# Allegro board A733_PRO3_AXP318_LPDDR5_FBGA315BALL_32X1_V2_0.brd (continued)
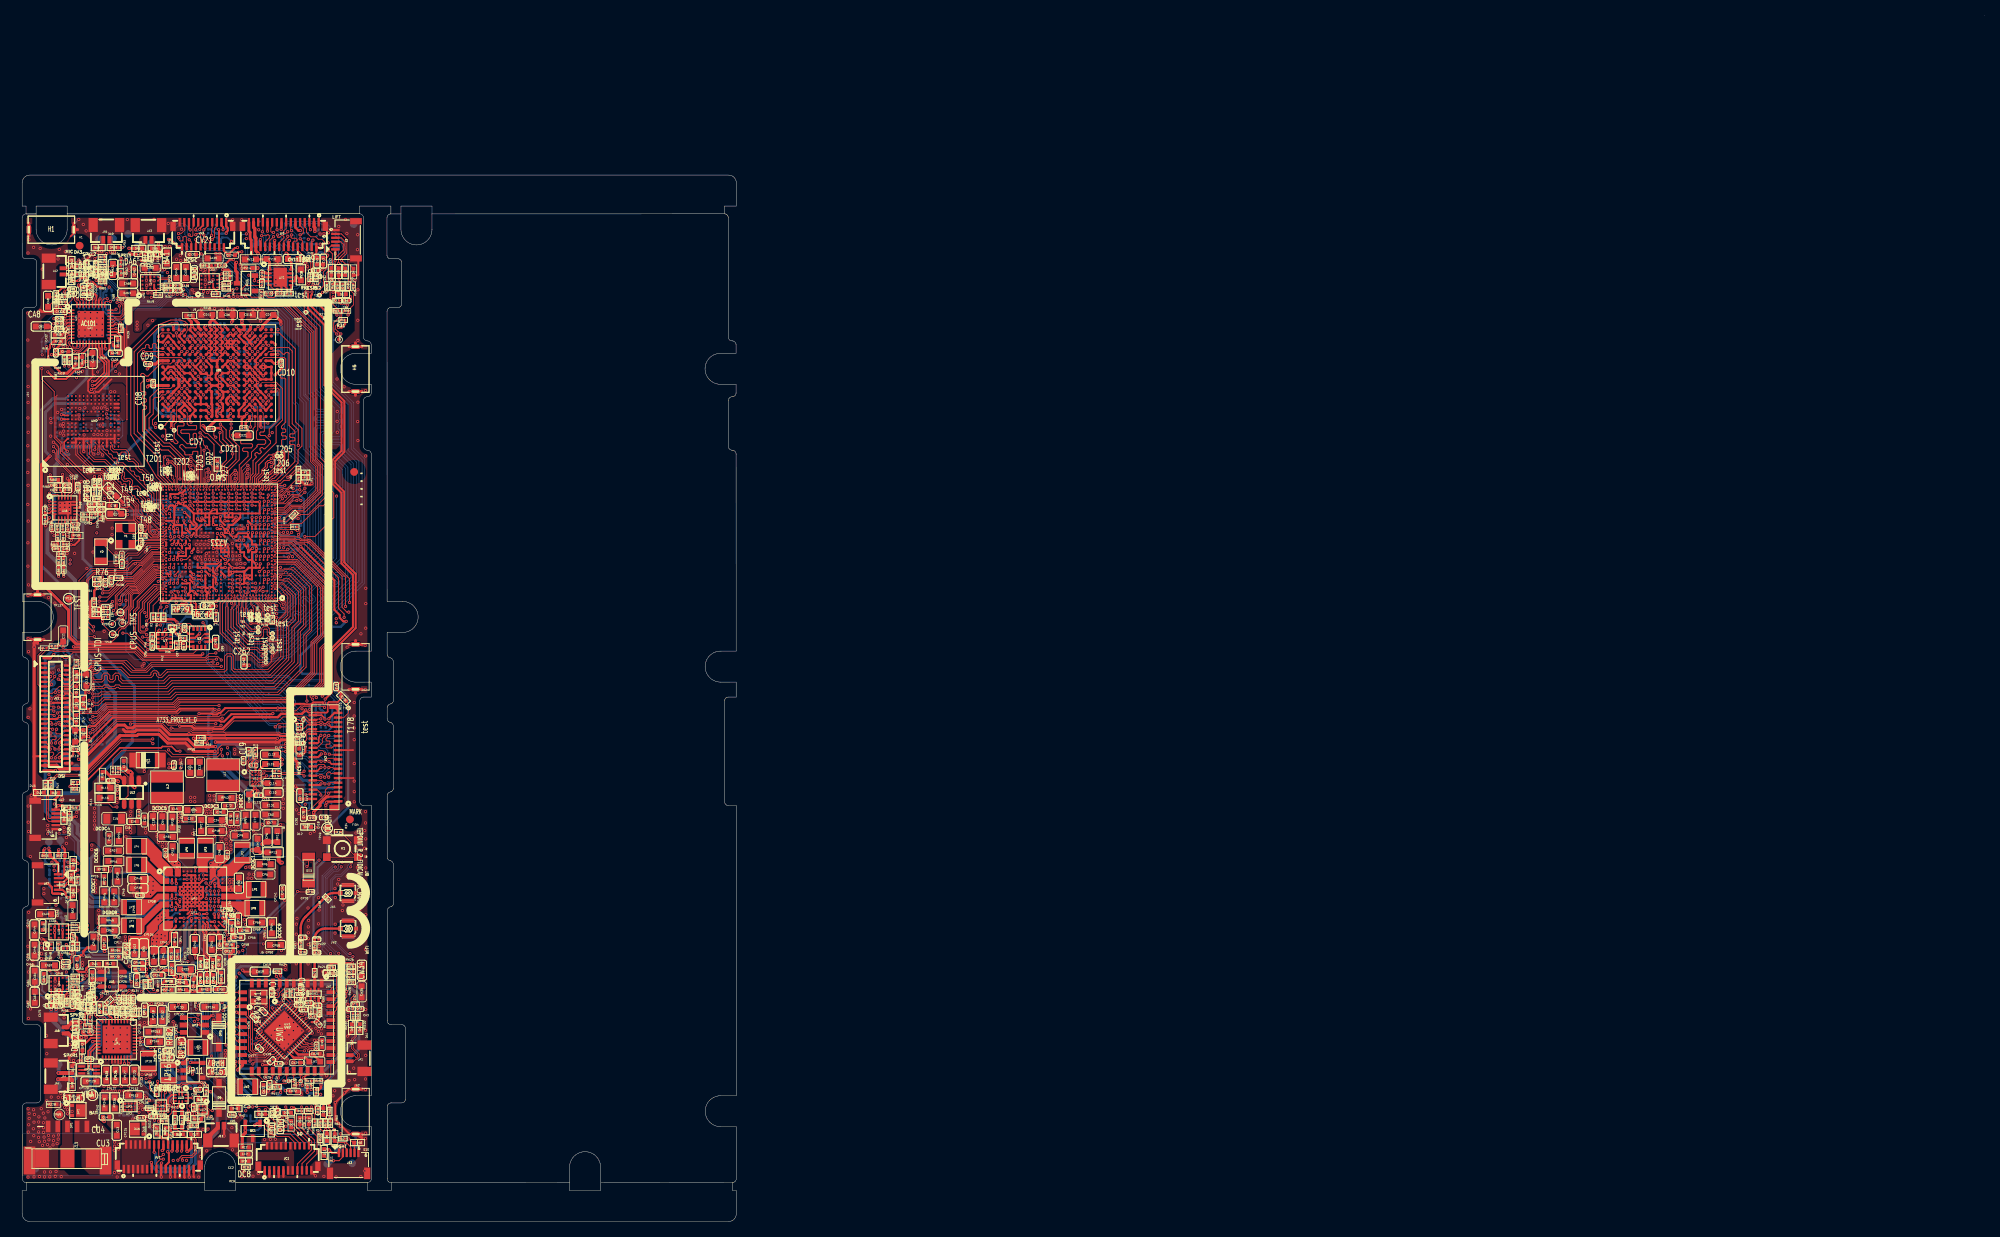
[diagram p0: board, top side]
## Nets (continued)
GND: C5.2 C6.2 C7.2 C8.2 C9.2 C10.2 C11.2 C12.2 C13.2 C14.2 C15.2 C16.2 C17.2 C18.2 C19.2 C20.2 C21.2 C22.2 C23.2 C24.2 C25.2 C26.2 C27.2 C28.2 C29.2 C30.2 C31.2 C32.2 C33.2 C34.2 C35.2 C36.2 C37.2 C38.2 C39.2 C40.2 C41.2 C42.2 C43.2 C44.2 C45.2 C46.2 C47.1 C48.2 C49.2 C50.2 C51.2 C52.2 C53.2 C54.2 C55.2 C56.2 C57.2 C58.2 C59.2 C60.2 C61.2 C62.2 C63.2 C64.2 C65.2 C66.2 C67.2 C68.2 C69.2 C70.2 C71.2 C72.2 C73.2 C74.2 C75.2 C76.2 C77.2 C78.2 C79.2 C80.2 C81.2 C82.2 C83.2 C84.2 C85.2 C86.2 C87.2 C88.2 C89.2 C92.2 C93.2 C95.1 C96.2 C97.2 C108.2 C109.2 C110.2 C111.2 C116.2 C125.2 C128.2 C129.2 C130.2 C131.2 C132.2 C133.2 C134.2 C135.2 C257.2 C258.2 C259.1 C260.2 C261.2 C262.2 CA1.1 CA2.2 CA3.1 CA4.1 CA5.1 CA10.2 CA11.2 CA12.2 CA13.2 CA14.2 CA15.1 CA16.1 CA17.2 CA18.1 CA23.2 CA24.2 CA25.2 CA27.2 CA33.2 CA34.2 CA35.2 CA36.2 CA37.2 CA39.1 CA40.2 CA41.2 CA42.2 CA44.2 CA45.1 CA46.1 CA53.2 CA54.2 CA55.2 CA56.2 CA57.2 CA58.2 CA59.2 CA60.2 CA61.2 CA63.2 CA64.2 CA65.2 CA67.1 CA68.1 CA75.2 CA76.2 CA77.2 CA78.2 CA79.2 CA80.2 CA81.2 CA82.2 CA83.1 CA89.2 CA90.2 CA91.2 CA92.2 CA93.1 CA99.2 CA100.2 CA101.2 CA102.2 CC2.2 CD1.2 CD2.2 CD3.2 CD4.2 CD5.2 CD6.2 CD7.2 CD8.2 CD9.2 CD10.2 CD11.2 CD12.2 CD13.2 CD14.2 CD15.2 CD16.2 CD17.2 CD18.2 CD19.2 CD20.2 CD21.2 CD22.2 CD23.2 CD24.2 CD25.2 CD26.2 CD27.2 CD32.2 CD33.2 CD34.2 CD35.2 CD36.2 CD37.2 CD38.2 CD39.2 CD40.2 CD41.2 CD42.2 CD43.2 CD44.2 CD45.2 CD46.2 CD47.2 CD48.2 CD49.2 CD50.2 CD51.2 CD52.2 CD53.2 CD54.2 CD55.2 CD56.2 CD57.2 CD58.2 CD59.2 CD60.2 CD61.2 CD62.2 CD63.2 CD64.2 CD65.2 CD66.2 CD67.2 CD68.2 CD69.2 CL1.1 CL3.1 CL4.1 CL5.1 CL6.1 CL7.1 CL9.1 CL10.1 CL11.1 CL12.1 CL13.1 CL14.2 CL16.2 CL17.2 CL18.1 CL19.2 CL20.1 CM1.2 CM2.2 CM3.2 CM4.2 CM24.2 CM25.2 CM26.2 CM27.2 CM28.2 CM29.2 CM30.2 CM31.2 CM32.2 CM33.2 CM34.2 CM35.2 CM37.2 CM39.2 CM54.2 CM55.2 CM56.2 CM57.2 CM58.2 CM59.2 CM60.2 CM61.2 CP1.1 CP2.1 CP3.2 CP4.1 CP5.1 CP6.1 CP7.1 CP8.2 CP9.1 CP10.1 CP11.1 CP12.1 CP13.1 CP15.2 CP17.1 CP18.1 CP20.1 CP21.1 CP22.1 CP23.2 CP24.1 CP25.1 CP27.1 CP28.1 CP29.1 CP30.2 CP31.1 CP32.1 CP33.1 CP34.1 CP35.1 CP37.1 CP38.2 CP39.1 CP40.1 CP41.1 CP43.2 CP44.1 CP46.1 CP47.1 CP48.1 CP49.2 CP50.1 CP51.1 CP52.1 CP55.1 CP56.2 CP58.1 CP59.1 CP103.1 CP112.2 CP115.2 CP116.1 CP117.1 CP118.1 CP119.2 CP120.1 CP122.2 CP123.1 CP124.1 CP126.1 CP127.1 CP129.1 CP132.1 CP133.1 CP134.1 CP135.1 CP136.2 CP137.1 CP138.1 CP139.1 CP140.1 CP141.1 CP142.2 CP143.2 CP144.1 CP150.1 CP151.2 CP153.2 CP154.2 CU1.1 CU2.1 CU3.2 CU4.2 CU5.1 CU6.1 CV1.2 CV2.2 CV3.2 CV4.2 CV5.2 CV6.2 CV7.2 CV8.1 CV9.1 CV10.2 CV11.2 CV13.2 CV14.2 CV15.2 CV16.2 CV17.2 CV18.2 CV19.2 CV20.2 CV21.2 CV22.2 CV23.2 CV24.2 CV25.2 CV26.2 CW1.2 CW2.2 CW5.1 CW6.1 CW7.2 CW8.2 CW9.2 CW10.2 CW11.1 CW12.2 CW13.1 CW15.1 CW16.1 CW17.1 CW19.2 CW20.1 CW21.1 CW22.1 CW23.1 CW24.2 CW25.2 CW26.2 CW27.1 CW28.1 CW29.2 CW30.1 CW31.1 CW33.1 CW34.2 CW35.2 D1.1(ANODE) D2.1(ANODE) D3.1(ANODE) D4.1(ANODE) D5.1(ANODE) D6.1 D7.1(ANODE) D8.1(ANODE) D9.1(ANODE) D10.1(ANODE) D11.1(ANODE) D12.1(ANODE) DA1.1(ANODE) DA2.1(ANODE) DA3.1(ANODE) DA4.1(ANODE) DA5.1(ANODE) DA6.1(ANODE) DA7.1(ANODE) DA8.1(ANODE) DA9.1(ANODE) DA10.1(ANODE) DA11.1(ANODE) DA12.1(ANODE) DA13.1(ANODE) DA14.1(ANODE) DA15.1(ANODE) DA16.1(ANODE) DA17.1(ANODE) DA18.1(ANODE) DC1.1(ANODE) DC2.1(ANODE) DC3.1(ANODE) DC4.1(ANODE) DC5.1(ANODE) DC6.1(ANODE) DC7.1(ANODE) DC8.1(ANODE) DL2.1(ANODE) DL3.1(ANODE) DL4.1(ANODE) DL5.1(ANODE) DL6.1(ANODE) DL7.1(ANODE) DL8.1(ANODE) DL9.1(ANODE) DP1.1 DP1.2 DU1.1(ANODE) DU2.1(ANODE) DU3.1(ANODE) DU4.1(ANODE) DU6.1 DU6.2 DU7.1(ANODE) DU8.1(ANODE) DU9.1(ANODE) DU10.1(ANODE) DU11.1(ANODE) DU12.1(ANODE) H1.1 H1.2 H2.1 H2.2 H3.1 H3.2 H4.1 H4.2 H5.1 H5.2 J1.1 J1.6 J1.7 J1.8 J2.1 J2.6 J2.7 J2.8 J3.1 J3.2 J3.3 J3.4 J3.5 J4.1 J4.2 J4.3 J4.4 J4.5 J5.1 J5.2 J5.3 J5.4 J5.5 J6.1 J6.2 J6.3 J6.4 J6.5 J7.1 J7.2 J7.3 J7.4 J7.5 J8.1 J8.2 J8.3 J8.4 J8.5 J9.1 J9.2 J9.3 J9.4 J9.5 J10.1 J10.2 J10.3 J10.4 J10.5 J11.2 J11.4 J12.1 J12.6 J12.7 J12.8 J13.1 J13.2 J13.3 J13.4 J13.5 J14.1 J14.2 J14.3 J14.4 J14.5 JA1.3 JA1.4 JA2.3 JA2.4 JA3.3 JA3.4 JA4.3 JA4.4 JA5.3 JA5.4 JA6.3 JA6.4 JA7.6 JA7.7 JA7.8 JC1.1(GND) JC1.2 JC1.3 JC1.4 JC1.5 JC1.6 JC1.7 JC1.8 JC1.9 JC1.10(GND1) JC1.21(GND2) JC1.22 JC1.23 JL1.7(GND0) JL1.16(GND1) JL1.24(GND2) JL1.25(GND3) JL1.28(GND4) JL1.31(GND5) JL1.34(GND6) JL1.37(GND7) JL1.40(GND8) JL1.41(GND9) JL1.46 JL1.47 JP1.4 JP1.5 JP1.6 JP2.3(GND) JU1.17 JU1.18 JU1.21 JU1.22 JU1.23 JU1.24 JU1.25 JU1.26 JU1.27 JU1.28 JU1.29 JU1.30 JU1.31 JU1.32 JU1.33 JV1.11(DGND) JV1.14(DGND1) JV1.17(DGND2) JV1.20(DGND3) JV1.23(DGND4) JV1.26(DGND5) JV1.32 JV1.33 JV2.8(DGND0) JV2.11(DGND1) JV2.14(DGND2) JV2.17(DGND3) JV2.20(DGND4) JV2.23(DGND5) JV2.26(DGND6) JV2.33(DGND7) JV2.38(DGND8) JV2.39(DGND9) JV2.40 JV2.41 JV3.11(DGND) JV3.14(DGND1) JV3.17(DGND2) JV3.20(DGND3) JV3.21(NC1) JV3.22 JV3.23 JW1.2(G1) JW1.3(G2) JW1.4(G3) JW1.5(G4) JW2.2(G1) JW2.3(G2) JW2.4(G3) JW2.5(G4) K1.3 K1.4 LW3.2 LW4.2 QV1.2(SOURCE) R4.1 R6.1 R7.2 R9.2 R10.2 R11.2 R13.1 R14.1 R17.1 R22.1 R24.2 R36.1 R37.2 R43.1 R46.2 R48.1 R66.1 R67.1 R68.1 RA6.1 RA8.2 RA13.2 RA25.2 RA26.2 RA33.2 RA34.1 RA35.1 RA36.2 RA39.1 RA40.1 RA49.1 RA61.2 RA65.1 RA66.2 RA69.1 RA89.1 RC8.2 RC9.2 RD2.2 RL5.2 RL7.2 RL11.2 RL13.1 RL16.2 RL18.2 RL22.2 RL23.2 RL38.1 RL42.2 RL47.1 RM3.1 RM41.1 RP57.2 RP225.1 RP228.1 RP247.2 RP248.2 RP250.2 RP254.2 RP256.2 RP257.2 RP299.1 RP300.1 RU6.2 RU7.2 RU8.2 RV17.1 RV18.1 RV19.1 RV20.1 RV21.2 RW4.1 RW17.1 RW31.1 RW32.1 RW33.2 RW38.1 T24.1(TP) T53.1(TP) T54.1(TP) T63.1(TP) T119.1(TP) T121.1(TP) T150.1(TP) T160.1(TP) T179.1(TP) T183.1(TP) T186.1(TP) T189.1(TP) T199.1(TP) TP29.1(TP) TP41.1(TP) TP42.1(TP) TP53.1(TP) TP58.1(TP) U1.1A5(GND42) U1.1A17(GND43) U1.1A21(GND44) U1.1AA3(GND135) U1.1AA4(GND136) U1.1AA5(GND137) U1.1AA6(GND138) U1.1AA8(GND139) U1.1AA10(GND140) U1.1AA12(GND141) U1.1AA14(GND142) U1.1AA16(GND143) U1.1AA17(GND144) U1.1AA18(GND145) U1.1AA20(GND146) U1.1AB14(GND147) U1.1AB18(GND148) U1.1AB25(GND149) U1.1AC3(GND150) U1.1AC22(GND151) U1.1AD4(GND152) U1.1AD6(GND153) U1.1AD8(GND154) U1.1AD10(GND155) U1.1AD12(GND156) U1.1AD14(GND157) U1.1AD16(GND158) U1.1AD18(GND159) U1.1AD20(GND160) U1.1AD22(GND161) U1.1AD24(GND162) U1.1AF24(GND163) U1.1AF26(GND164) U1.1B3(GND45) U1.1B15(GND46) U1.1B17(GND47) U1.1B19(GND48) U1.1B21(GND49) U1.1C7(GND50) U1.1C9(GND51) U1.1C15(GND52) U1.1C17(GND53) U1.1C21(GND54) U1.1C23(GND55) U1.1D5(GND56) U1.1D7(GND57) U1.1D15(GND58) U1.1D17(GND59) U1.1E5(GND60) U1.1E7(GND61) U1.1E11(GND62) U1.1E17(GND63) U1.1E21(GND64) U1.1F7(GND65) U1.1F9(GND66) U1.1F11(GND67) U1.1F26(GND68) U1.1G3(GND69) U1.1G4(GND70) U1.1G5(GND71) U1.1G11(GND72) U1.1G17(GND73) U1.1G19(GND74) U1.1H14(GND75) U1.1H17(GND76) U1.1H19(GND77) U1.1J5(GND78) U1.1J6(GND79) U1.1J13(GND80) U1.1K12(GND81) U1.1K22(GND82) U1.1K23(GND83) U1.1K24(GND84) U1.1L4(GND85) U1.1L5(GND86) U1.1L7(GND87) U1.1L8(GND88) U1.1L11(GND89) U1.1L12(GND90) U1.1L13(GND91) U1.1M11(GND92) U1.1M13(GND93) U1.1M14(GND94) U1.1M21(GND95) U1.1M22(GND96) U1.1N4(GND97) U1.1N5(GND98) U1.1N8(GND99) U1.1N9(GND100) U1.1N12(GND101) U1.1N14(GND102) U1.1N15(GND103) U1.1P14(GND104) U1.1P15(GND105) U1.1P24(GND106) U1.1R2(GND107) U1.1R6(GND108) U1.1R7(GND109) U1.1R9(GND110) U1.1R14(GND111) U1.1T12(GND112) U1.1T22(GND113) U1.1T23(GND114) U1.1T25(GND115) U1.1U4(GND116) U1.1U12(GND117) U1.1U21(GND118) U1.1V10(GND119) U1.1V11(GND120) U1.1V16(GND121) U1.1V21(GND122) U1.1V23(GND123) U1.1V24(GND124) U1.1V25(GND125) U1.1W9(GND126) U1.1W16(GND127) U1.1W20(GND128) U1.1Y8(GND129) U1.1Y10(GND130) U1.1Y11(GND131) U1.1Y12(GND132) U1.1Y16(GND133) U1.1Y17(GND134) U1.1Y25(UFS-REFM) U1.A1(GND0) U1.A7(GND1) U1.A19(GND2) U1.A28(GND3) U1.A31(GND4) U1.A33(COMB1-REF-CLKN) U1.A34(COMB1-REF-CLKP) U1.A37(GND5) U1.AA37(GND17) U1.AB36(GND18) U1.AC2(GND19) U1.AC36(GND20) U1.AF36(GND21) U1.AG1(GND22) U1.AJ36(GND23) U1.AK37(GND24) U1.AL37(GND25) U1.AN2(GND26) U1.AT5(GND27) U1.AT8(GND28) U1.AT12(GND29) U1.AT13(GND30) U1.AT17(GND31) U1.AT24(GND32) U1.AT26(GND33) U1.AT30(GND34) U1.AU1(GND35) U1.AU10(GND36) U1.AU15(GND37) U1.AU19(GND38) U1.AU22(GND39) U1.AU34(GND40) U1.AU37(GND41) U1.B15(GND6) U1.B23(GND7) U1.B26(GND8) U1.B28(COMB0-REF-CLKP) U1.B29(COMB0-REF-CLKN) U1.B33(GND9) U1.H2(GND10) U1.J36(GND11) U1.L2(GND12) U1.T36(GND13) U1.U2(GND14) U1.V36(GND15) U1.W36(GND16) U2.6(GND) U5.A1(VSS) U7.4(NC) U7.8(GNDIO) U7.9(GND) UA1.41(GND) UA2.B1(PGND) UA2.B4(CGND) UA3.B1(PGND) UA3.B4(CGND) UA4.B1(PGND) UA4.B4(CGND) UA5.B1(PGND) UA5.B4(CGND) UA6.9(AGND) UA6.14(DEV_ID0) UA6.15(DEV_ID1) UA6.21(GND) UD1.A5(VSS_0) UD1.A11(VSS_1) UD1.AA5(VSS_100) UD1.AA11(VSS_101) UD1.B4(VSS_2) UD1.B8(VSS_3) UD1.B12(VSS_4) UD1.C5(VSS_5) UD1.C8(VSS_6) UD1.C11(VSS_7) UD1.D2(VSS_8) UD1.D6(VSS_9) UD1.D7(VSS_10) UD1.D9(VSS_11) UD1.D10(VSS_12) UD1.D14(VSS_13) UD1.E1(VSS_14) UD1.E3(VSS_15) UD1.E8(VSS_16) UD1.E13(VSS_17) UD1.E15(VSS_18) UD1.F2(VSS_19) UD1.F8(VSS_20) UD1.F14(VSS_21) UD1.G3(VSS_22) UD1.G5(VSS_23) UD1.G7(VSS_24) UD1.G9(VSS_25) UD1.G11(VSS_26) UD1.G13(VSS_27) UD1.H3(VSS_28) UD1.H4(VSS_29) UD1.H6(VSS_30) UD1.H8(VSS_31) UD1.H10(VSS_32) UD1.H12(VSS_33) UD1.J1(VSS_34) UD1.J3(VSS_35) UD1.J7(VSS_36) UD1.J8(VSS_37) UD1.J10(VSS_38) UD1.J12(VSS_39) UD1.J13(VSS_40) UD1.J15(VSS_41) UD1.K7(VSS_42) UD1.K8(VSS_43) UD1.K9(VSS_44) UD1.L1(VSS_45) UD1.L2(VSS_46) UD1.L3(VSS_47) UD1.L4(VSS_48) UD1.L5(VSS_49) UD1.L11(VSS_50) UD1.L12(VSS_51) UD1.L13(VSS_52) UD1.L14(VSS_53) UD1.L15(VSS_54) UD1.M7(VSS_55) UD1.M8(VSS_56) UD1.M9(VSS_57) UD1.N1(VSS_58) UD1.N3(VSS_59) UD1.N4(VSS_60) UD1.N6(VSS_61) UD1.N8(VSS_62) UD1.N9(VSS_63) UD1.N10(VSS_64) UD1.N12(VSS_65) UD1.N13(VSS_66) UD1.N15(VSS_67) UD1.P4(VSS_68) UD1.P6(VSS_69) UD1.P8(VSS_70) UD1.P10(VSS_71) UD1.P12(VSS_72) UD1.P13(VSS_73) UD1.R3(VSS_74) UD1.R5(VSS_75) UD1.R7(VSS_76) UD1.R9(VSS_77) UD1.R11(VSS_78) UD1.R13(VSS_79) UD1.T2(VSS_80) UD1.T8(VSS_81) UD1.T14(VSS_82) UD1.U1(VSS_83) UD1.U3(VSS_84) UD1.U8(VSS_85) UD1.U13(VSS_86) UD1.U15(VSS_87) UD1.V2(VSS_88) UD1.V6(VSS_89) UD1.V7(VSS_90) UD1.V9(VSS_91) UD1.V10(VSS_92) UD1.V14(VSS_93) UD1.W5(VSS_94) UD1.W8(VSS_95) UD1.W11(VSS_96) UD1.Y4(VSS_97) UD1.Y8(VSS_98) UD1.Y12(VSS_99) UL1.B3(PGND2) UL1.D2(AGND) UL1.E1(PGND1) UL2.2(GND) UM2.B2(VSS0) UM2.B11(VSS1) UM2.B12(VSS2) UM2.C1(VSS3) UM2.C2(VSS4) UM2.C3(VSS5) UM2.C11(VSS7) UM2.C12(VSS8) UM2.D3(VSS9) UM2.D12(VSS10) UM2.D13(VSS11) UM2.D14(VSS12) UM2.E1(VSS13) UM2.E2(VSS14) UM2.E3(VSS15) UM2.E12(VSS16) UM2.F3(VSS17) UM2.F12(VSS18) UM2.F13(VSS19) UM2.F14(VSS20) UM2.G1(VSS21) UM2.G2(VSS22) UM2.G3(VSS23) UM2.G10(VSS24) UM2.G12(VSS25) UM2.H3(VSS26) UM2.H5(VSS27) UM2.H10(VSS28) UM2.H12(VSS29) UM2.H13(VSS30) UM2.H14(VSS31) UM2.J1(VSS32) UM2.J2(VSS33) UM2.J3(VSS34) UM2.J5(VSS35) UM2.J12(VSS36) UM2.K3(VSS37) UM2.K5(VSS38) UM2.K12(VSS39) UM2.K13(VSS40) UM2.K14(VSS41) UM2.L1(VSS42) UM2.L2(VSS43) UM2.L3(VSS44) UM2.L12(VSS45) UM2.M3(VSS46) UM2.M4(VSS47) UM2.M5(VSS48) UM2.M12(VSS49) UM2.M13(VSS50) UM2.M14(VSS51) UM2.N2(VSS52) UM2.N3(VSS53) UM2.N4(VSS54) UM2.N5(VSS55) UM2.N11(VSS56) UM2.N12(VSS57) UM2.P4(VSS58) UM2.P5(VSS59) UM2.P11(VSS60) UM2.P12(VSS61) UP1.B5(FB_GND4) UP1.B7(FB_GND5) UP1.B8(FB_GND3) UP1.C11(FB_GND2) UP1.D5(GND#D5) UP1.D7(GND#D7) UP1.D9(GND#D9) UP1.E4(GND#E4) UP1.E6(GND#E6) UP1.E8(GND#E8) UP1.E10(GND#E10) UP1.F5(GND#F5) UP1.F7(GND#F7) UP1.F9(GND#F9) UP1.G4(GND#G4) UP1.G6(GND#G6) UP1.G8(GND#G8) UP1.G10(GND#G10) UP1.H5(GND#H5) UP1.H7(GND#H7) UP1.H9(GND#H9) UP1.J6(GND#J6) UP1.J8(GND#J8) UP1.J10(GND#J10) UP1.J11(GND#J11) UP1.K5(GND#K5) UP1.K7(GND#K7) UP1.K9(GND#K9) UP1.L4(GND#L4) UP1.L6(GND#L6) UP1.L10(GND#L10) UP1.L11(GND#L11) UP1.P11(AGND) UP1.P14(GND#P14) UP1.R15(GND#R15) UP2.A1(EN#) UP2.A4(GND0) UP2.B4(GND1) UP2.C4(GND2) UP3.2(GND) UP4.28(GND) UP4.41(EP) UP5.C2(GND) UP11.2(GND) UU1.2(GND) UU2.C2(GND) UU3.6(GND) UV1.8(GND#8) UV1.9(GND#9) UV1.11(GND_PAD) UW1.2(G0) UW1.4(G1) UW1.6(G2) UW2.1(GND1) UW2.3(GND2) UW2.20(GND3) UW2.31(GND4) UW2.33(GND5) UW2.36(GND6) UW3.2(GPIOB4) UW3.7(GPIOB5) UW3.26(GPIOB6) UW3.35(AVSS0) UW3.36(AVSS1) UW3.40(WF_AUX5G) UW3.49(GND) Y1.2(GND1) Y1.4(GND2) YW1.2 YW1.3 YW1.4
VBAT: CP119.1 CP120.2 DP1.3 JP1.1 JP1.2 JP1.7 JP2.1(BAT) RP246.4(O2) RP246.6(O1) TP57.1(TP)
VBUS-AXP318: CP4.2 CP123.2 CP126.2 CP127.2 LP10.2 UP1.P1(DCIN#P1) UP1.P2(DCIN#P2) UP1.R1(DCIN#R1) UP1.R2(DCIN#R2) UP4.4(VSYS1) UP4.5(VSYS2) UP4.6(VSYS3) UP4.7(VSYS4)
VBUS-AXP515: CP112.1 CP117.2 CP118.2 CP132.2 CP133.2 RP236.1 RP240.1 RP245.1 UP2.A2(OUT0) UP2.A3(OUT1) UP2.B2(OUT2) UP4.19(VBUS1) UP4.20(VBUS2) UP5.A2(VBUS)
VBUS-USB: CP115.1 CU3.1 CU4.1 DU6.3 JU1.1 JU1.2 JU1.3 JU1.4 JU1.5 JU1.6 JU1.7 JU1.8 JU1.9 JU1.10 JU1.11 JU1.12 RP236.2 RP237.2 RP240.2 UP2.B3(IN2) UP2.C2(IN0) UP2.C3(IN1)
VCC09-VDD2L: CD6.1 CD7.1 CD8.1 CD9.1 CD10.1 RP198.2 UD1.A6(VDD2L_0) UD1.A10(VDD2L_1) UD1.AA6(VDD2L_14) UD1.AA10(VDD2L_15) UD1.B6(VDD2L_2) UD1.B10(VDD2L_3) UD1.H2(VDD2L_4) UD1.H14(VDD2L_5) UD1.J2(VDD2L_6) UD1.J14(VDD2L_7) UD1.N2(VDD2L_8) UD1.N14(VDD2L_9) UD1.P2(VDD2L_10) UD1.P14(VDD2L_11) UD1.Y6(VDD2L_12) UD1.Y10(VDD2L_13)
VCC33-18-USB: C8.1 RP7.2 RP39.2 U1.1F19(VCC33-18-USB)
VCC33-18-USB-2: C108.1 RP2.2 RP50.2 U1.1D19(VCC33-18-USB2-U2)
VCC-5V: CP134.2 CP135.2 CU1.2 DP3.2 RP249.1 RP253.1 RP255.1 RU2.2 UP5.B1(VCONN) UU1.5(IN)
VCC-5V-USB: CU2.2 DU4.2(CATHODE) J1.5 RU2.1 UU1.1(OUT)
VCC-CARD-3V3: CC2.1 DC8.2(CATHODE) JC1.11(VCC1) JC1.12(VCC2) JC1.13(VCC3) QC1.3(D) RC2.2 RC9.1
VCC-IO: C9.1 C16.1 C17.1 C109.1 C128.1 R1.2 R3.1 R38.2 R39.2 R59.1 R60.1 R63.1 R64.1 R73.1 RA27.2 RA28.2 RA29.1 RA90.2 RA91.2 RC3.2 RC4.2 RP50.1 RP234.1 RP242.1 RP271.1 RP272.1 RP287.1 U1.1F17(VCC33-USB2-U2) U1.1U5(VCC-IO) U1.1W6(VCC-PH)
VCC-RTC: C51.1 R21.1 R23.1 R76.1 RP3.1 RP8.1 RP19.2
VCC-SENSOR: C87.1 C88.1 C89.1 C92.1 C93.1 C96.1 C97.1 CV9.2 R42.2 R44.2 RP42.2 RP53.2 RV10.2 U2.5(VDDIO) U2.8(VDD) U2.12(CS) U5.B1(VDD) U7.3(VDDIO) U7.7(VDD)
VCC-UFS: CM25.1 CM26.1 CM27.1 CM28.1 RP287.2 RP293.2 UM2.B8(VCC0) UM2.B9(VCC1) UM2.C8(VCC2) UM2.C9(VCC3) UM2.E8(VCC4) UM2.K8(VCC5) UM2.N8(VCC6) UM2.N9(VCC7) UM2.P8(VCC8) UM2.P9(VCC9)
VCC-UFS-IO: CM1.1 CM2.1 RM38.2 RP290.2 U1.1V20(VCC-UFS)
VCC-VDDQ: CD16.1 CD17.1 CD18.1 CD19.1 CD20.1 CD49.1 CD50.1 CD51.1 CD52.1 CD53.1 CD54.1 CD58.1 CD59.1 CD60.1 CD61.1 CD62.1 CD63.1 CD64.1 CD65.1 RD1.2 RP15.2 RP20.2 UD1.A3(VDDQ_0) UD1.A13(VDDQ_1) UD1.AA3(VDDQ_38) UD1.AA13(VDDQ_39) UD1.B2(VDDQ_2) UD1.B14(VDDQ_3) UD1.C3(VDDQ_4) UD1.C13(VDDQ_5) UD1.D4(VDDQ_6) UD1.D12(VDDQ_7) UD1.E5(VDDQ_8) UD1.E11(VDDQ_9) UD1.F1(VDDQ_10) UD1.F3(VDDQ_11) UD1.F4(VDDQ_12) UD1.F12(VDDQ_13) UD1.F13(VDDQ_14) UD1.F15(VDDQ_15) UD1.G1(VDDQ_16) UD1.G2(VDDQ_17) UD1.G14(VDDQ_18) UD1.G15(VDDQ_19) UD1.R1(VDDQ_20) UD1.R2(VDDQ_21) UD1.R14(VDDQ_22) UD1.R15(VDDQ_23) UD1.T1(VDDQ_24) UD1.T3(VDDQ_25) UD1.T4(VDDQ_26) UD1.T12(VDDQ_27) UD1.T13(VDDQ_28) UD1.T15(VDDQ_29) UD1.U5(VDDQ_30) UD1.U11(VDDQ_31) UD1.V4(VDDQ_32) UD1.V12(VDDQ_33) UD1.W3(VDDQ_34) UD1.W13(VDDQ_35) UD1.Y2(VDDQ_36) UD1.Y14(VDDQ_37)
VDD-CPUBFB: RP268.1 T41.1(TP) U1.1K21(VDD-CPUBFB) UP1.B9(DCDC3)
VDD-CPULFB: RP270.1 T42.1(TP) U1.1P21(VDD-CPULFB) UP1.A8(DCDC5)
VDD-DRAM: C77.1 C78.1 C79.1 C80.1 C81.1 C82.1 C83.1 C134.1 C135.1 RP49.2 RP127.2 U1.1U8(VDD-DRAM0) U1.1U13(VDD-DRAM1) U1.1V8(VDD-DRAM2) U1.1W17(VDD-DRAM3) U1.1W18(VDD-DRAM4)
VDD-GPUFB: RP269.1 T43.1(TP) U1.1R13(VDD-GPUFB) UP1.C5(DCDC4)
VDD-SYSFB: RP267.1 T44.1(TP) U1.1K13(VDD-SYSFB) UP1.B11(DCDC2)
VDD-USB: C6.1 RP296.2 RP297.2 U1.1D21(VDD08-USB)
VINT: CP20.2 UP1.L13(VINT)
VPP/VCC: CA10.1 RA9.2 RA10.1 UA1.15(VPP/VCC)
VRN/AGND: RA26.1 UA1.6(VRN/AGND)
VRP/AVCC: CA1.2 UA1.5(VRP/AVCC)
AECLN: CA97.2 RA84.2 RA86.1 RA88.1
AECLP: CA94.2 RA83.2 RA85.1 RA87.1
AECRN: CA87.2 RA80.1 RA82.2
AECRP: CA84.2 RA79.1 RA81.2
AFVCC-CSI: CP44.2 CV4.1 CV16.1 CV23.1 JV1.4(VAF28) JV3.4(VAF28) RV5.1 T136.1(TP) UP1.R5(DLDO3)
AGND/VRP: RA8.1 UA1.7(AGND/VRP)
ALDO1: C7.1 C20.1 CP11.2 CP12.2 CV8.2 RP4.1 RP9.1 RP10.1 RP39.1 RU1.1 RV9.2 RV11.2 RV12.2 U1.1E19(VCC33-USB) U1.1M23(VCC-PL) UP1.P3(AIN234) UP5.A3(VDD)
ALDO2: CP13.2 CV5.1 CV17.1 JV1.2(AVDD28) JV2.2(AVDD28) T132.1(TP) T156.1(TP) UP1.J3(ALDO2)
ALDO3: CP140.2 CV24.1 JV3.2(AVDD28) UP1.J4(ALDO3)
ALDO5: CA18.2 CP17.2 RA10.2 RA14.1 RA16.1 RA17.2 RA59.1 UA1.25(VDD-IO) UA1.33(VCC-IO/DEVID) UP1.L3(ALDO5)
ALS-INT: JV2.36(INT-LSENSOR) RV12.1 RV21.1 T177.1(TP) U1.1H25(PL13/S-UART1-RX/S-TWI1-SDA/S-TW)
ANT0: RW21.1 UW1.5(RFIN) UW2.2(WL_BT_ANT)
ANT1: CW16.2 CW32.1 RW18.1 UW2.4(FM_RX)
AP-CK32K-OUT: RW34.1 RW37.1 U1.U36(X32KFOUT)
AP-NMI: C48.1 RP3.2 RP5.2 U1.1M26(NMI) UP1.G14(IRQ)
AP-RESET: C37.1 R28.1 R52.1 RP8.2 RP243.2 U1.1M24(RESET) UP1.G11(PWROK)
AP-UFS-CLKOUT: RM36.1 U1.AB37(REFCLK-OUT)
AP-WAKE-BT: RW38.2 U1.R36(PM3/S-JTAG-DI/S-SPI0-MISO/S-UAR) UW2.6(BT_WAKE) UW3.1(GPIOB3)
AVCC/VRA1: CA14.1 RA16.2 UA1.8(AVCC/VRA1)
BACKUP: T55.1(TP) UP1.L15(BKUPBAT)
BLDO1: C14.1 C18.1 C19.1 CP24.2 CV6.1 CV18.1 CV25.1 JV1.1(DOVDD18) JV2.1(DOVDD18) JV3.1(DOVDD18) RP22.1 RV2.1 RV3.1 RV4.1 RV6.1 RV7.1 RV8.1 RV22.1 RV23.1 RV24.1 RV25.1 T131.1(TP) T153.1(TP) U1.1G7(VCC-PE) U1.1G9(VCC-MCSI) U1.1H11(VCC-PK)
BLDO2: C11.1 C12.1 C13.1 C132.1 CL17.1 CL18.2 CP25.2 DL2.2(CATHODE) JL1.17(VDD18-0) JL1.18(VDD18-1) RL24.2 RL25.2 RL26.2 RL27.2 RL34.1 RL35.1 RL36.2 RL37.2 RP23.1 U1.1L6(VCC-PJ) U1.1N6(VCC-LVDS) U1.1N7(VCC-PD)
BLDO4: CP28.2 RA9.1 RA15.1 RA18.1 RA60.1 UP1.N8(BLDO4)
BLDO5: C15.1 C260.1 CP29.2 CW22.2 CW27.2 RP29.1 RW9.2 RW10.2 RW11.2 RW12.2 RW13.2 RW14.2 RW15.2 RW24.2 RW25.2 RW26.2 RW27.2 RW28.2 RW29.2 U1.1R5(VCC-PG) UW2.22(VDDIO) UW3.16(VIO)
BLDO-INPUT: CP22.2 RP28.2 RP220.2 UP1.R7(BLDOIN)
BOARD-ID-SEL-ADC: R8.2 R10.1 U1.1D26(BOARD-ID-ADC1)
BOARD-ID-SEL-GPIO: R3.2 R4.2 U1.AT1(PH15/UART5-RTS/LEDC/DSI-TRIG-LC)
BOOST-5V-EN: RP258.2 U1.1H26(PL12/S-UART1-TX/S-TWI1-SCK/S-TW)
BOOT-SEL-ADC: R5.2 R9.1 U1.1D24(BOOT-SEL-ADC)
BT-PCM-CLK: U1.Y2(PG11/I2S1-BCLK/TWI12-SCK/TWI9-S) UW2.26(PCM_CLK) UW3.30(GPIOA1)
BT-PCM-DIN: U1.AB1(PG13/I2S1-DOUT0/I2S1-DIN1/TWI6-) UW2.27(PCM_IN) UW3.29(GPIOA2)
BT-PCM-DOUT: U1.AA1(PG14/I2S1-DIN0/I2S1-DOUT1/TWI6-) UW2.25(PCM_OUT) UW3.28(GPIOA3)
BT-PCM-SYNC: U1.AA2(PG12/I2S1-LRCK/TWI12-SDA/TWI9-S) UW2.28(PCM_SYNC) UW3.32(GPIOA0)
BT-RESETN: RW4.2 RW25.1 RW60.1 RW61.1 RW62.2 U1.P36(PM2/S-JTAG-DO/S-SPI0-MOSI/S-UAR)
BT-UART-CTS: CW33.2 RW29.1 RW32.2 U1.V1(PG8/UART1-RTS/UART4-RTS/UART5-T) UW2.44(UART_CTS_N) UW3.12(GPIOA6)
BT-UART-RTS: RW28.1 RW31.2 U1.W2(PG9/UART1-CTS/UART4-CTS/UART5-R) UW2.41(UART_RTS_N) UW3.13(GPIOA7)
BT-UART-RX: RW26.1 U1.T1(PG6/UART1-TX/UART4-TX/PWM1-7/LP) UW2.43(UART_RXD) UW3.3(GPIOA4)
BT-UART-TX: RW27.1 U1.V2(PG7/UART1-RX/UART4-RX/PWM1-8/LP) UW2.42(UART_TXD) UW3.11(GPIOA5)
BT-WAKE-AP: RW24.1 U1.N37(PM4/S-UART0-TX/S-TWI2-SCK/S-TWI) UW2.7(BT_HOST_WAKE) UW3.48(GPIOB2)
CC1: CP138.2 DU11.2(CATHODE) JU1.19 RP259.2 RP266.1
CC1-AXP515: RP266.2 UP4.25(CC1)
CC2: CP139.2 DU12.2(CATHODE) JU1.20 RP261.2 RP265.1
CC2-AXP515: RP265.2 UP4.26(CC2)
CC-INT: RP263.2 U1.N36(PM5/S-UART0-RX/S-TWI2-SDA/S-TWI) UP5.B2(INT_N)
CC-SCK: RP271.2 RP301.2 RP303.2 UP5.B3(SCL)
CC-SDA: RP272.2 RP302.2 RP304.2 UP5.C3(SDA)
CK-SEL0: C84.1 R21.2 R22.2 U1.1K25(CK-SEL0)
CK-SEL1: C85.1 R23.2 R24.1 U1.1K26(CK-SEL1)
CLDO1: C21.1 CD1.1 CD2.1 CD3.1 CD4.1 CD5.1 CD37.1 CD38.1 CD39.1 CD40.1 CD41.1 CD42.1 CP32.2 RP7.1 RP36.1 RP263.1 RW37.2 U1.1P22(VCC-PM) UD1.C1(VDD1_0) UD1.C15(VDD1_1) UD1.W1(VDD1_2) UD1.W15(VDD1_3)
CLDO2: C116.1 CP33.2 RP32.1 U1.1F13(VCC18-HDMI)
CLDO-INPUT: CP31.2 RP294.2 RP295.2 UP1.R12(CLDOIN)
CODEC0-AVDD: CA81.1 CA82.1 CA101.1 CA102.1 RA59.2 RA64.2 UA6.10(AVCC) UA6.18(VCC_DIO)
CODEC-IRQ: RA1.1 RA29.2 UA1.24(IRQ)
CODEC-RST: RA2.1 RA20.2
CPUS-RX: RU5.2 TP44.1(TP) U1.K36(PL3/S-UART1-RX/S-UART0-RX/S-TWI)
CPUS-TCK: TP46.1(TP) U1.J37(PL5/S-JTAG-CK/S-TWI2-SDA/S-SPI0) U2.9(INT2)
CPUS-TDI: RV16.2 TP48.1(TP) U1.G36(PL7/S-JTAG-DI/S-UART0-RX/S-SPI0)
CPUS-TDO: JV2.32(HALL-INT) RV11.1 T174.1(TP) TP47.1(TP) U1.H36(PL6/S-JTAG-DO/S-UART0-TX/S-SPI0)
CPUS-TMS: TP45.1(TP) U1.K37(PL4/S-JTAG-MS/S-TWI2-SCK/S-SPI0) U2.4(INT1/INT)
CPUS-TX: RU7.1 TP43.1(TP) U1.L36(PL2/S-UART1-TX/S-UART0-TX/S-TWI) UU1.4(EN)
CPUX-RX: RA4.2 TP38.1(TP) U1.1W3(PB10/UART0-RX/I2S0-DIN3/I2S0-DO)
CPUX-TCK: R32.2 R57.2 R60.2 R61.2 R64.2 TP39.1(TP) U1.AE2(PB1/UART2-RX/UART0-RX/SPI2-CLK/)
CPUX-TDI: R30.2 RA2.2 TP36.1(TP) U1.1U3(PB3/UART2-CTS/SPI2-MISO/HDMI-SD)
CPUX-TDO: R33.2 RA1.2 TP40.1(TP) U1.1U2(PB2/UART2-RTS/SPI2-MOSI/HDMI-SC)
CPUX-TMS: R31.2 R58.2 R59.2 R62.2 R63.2 TP37.1(TP) U1.AE1(PB0/UART2-TX/UART0-TX/SPI2-CS0/)
CPUX-TX: RA3.2 TP35.1(TP) U1.1W4(PB9/UART0-TX/I2S0-DIN2/I2S0-DOU)
CPVDD: CA13.1 RA15.2 UA1.22(CPVDD)
D+: DU7.2(CATHODE) JU1.16 LU1.2 RU12.1
D-: DU8.2(CATHODE) JU1.15 LU1.3 RU11.1
DC8SET: RP55.2 RP57.1 UP1.E11(DC8SET)
DCDC1: CW9.1 CW10.1 CW19.1 CW24.1 CW25.1 CW34.1 CW35.1 RP6.2 UP1.C15(DCDC1#C15) UP1.D15(DCDC1#D15) UW2.9(VBAT) UW3.24(VBAT) UW3.33(VDD33_PA)
DCDC2: C56.1 C57.1 C58.1 C59.1 C60.1 C63.1 C64.1 C65.1 C66.1 C67.1 C68.1 C71.1 C72.1 C73.1 C74.1 C75.1 C76.1 C111.1 C129.1 C131.1 C261.1 C262.1 CM3.1 CM4.1 R75.1 RP14.2 RP127.1 RP296.1 U1.1G13(VDD08-HDMI) U1.1J9(VDD-SYS0) U1.1J10(VDD-SYS1) U1.1K9(VDD-SYS2) U1.1L9(VDD-SYS3) U1.1L10(VDD-SYS4) U1.1M10(VDD-SYS5) U1.1P9(VDD-VE0) U1.1R8(VDD-VE1) U1.1R12(VDD-SYS6) U1.1U10(VDD-SYS7) U1.1V18(VDD-SYS8) U1.1V22(VDD-UFS)
DCDC3: C24.1 C25.1 C26.1 C27.1 C28.1 C29.1 C30.1 C31.1 C32.1 C33.1 RP17.2 U1.1J18(VDD-CPUB0) U1.1J19(VDD-CPUB1) U1.1K14(VDD-CPUB2) U1.1K15(VDD-CPUB3) U1.1K16(VDD-CPUB4) U1.1K17(VDD-CPUB5) U1.1K19(VDD-CPUB6) U1.1L15(VDD-CPUB7) U1.1L16(VDD-CPUB8)
DCDC4: C42.1 C43.1 C44.1 C52.1 C53.1 RP24.2 U1.1T15(VDD-GPU0) U1.1T16(VDD-GPU1) U1.1T17(VDD-GPU2) U1.1T18(VDD-GPU3) U1.1U18(VDD-GPU4)
DCDC5: C34.1 C35.1 C36.1 C45.1 C46.1 C47.2 C54.1 C55.1 C130.1 C257.1 C258.1 C259.2 RP30.2 U1.1L18(VDD-CPUL0) U1.1M16(VDD-CPUL1) U1.1M17(VDD-CPUL2) U1.1M18(VDD-CPUL3) U1.1M19(VDD-CPUL4) U1.1P17(VDD-CPUL5) U1.1P18(VDD-CPUL6) U1.1P19(VDD-CPUL7)
DCDC6: CD32.1 CD33.1 CD34.1 CD35.1 CD36.1 CD55.1 CD56.1 CD57.1 RP15.1 RP41.2 U1.1V14(VCC-DRAML0) U1.1W15(VCC-DRAML1) U1.1Y14(VCC-DRAML2) UP1.C2(DCDC6)
DCDC7: CD11.1 CD12.1 CD13.1 CD14.1 CD15.1 CD21.1 CD22.1 CD23.1 CD24.1 CD25.1 CD43.1 CD44.1 CD45.1 CD46.1 CD47.1 CD48.1 CD66.1 CD67.1 CD68.1 CD69.1 RP20.1 RP45.2 U1.1W10(VCC-DRAM0) U1.1W11(VCC-DRAM1) UD1.A7(VDD2H_0) UD1.A8(VDD2H_1) UD1.A9(VDD2H_2) UD1.AA7(VDD2H_58) UD1.AA8(VDD2H_59) UD1.AA9(VDD2H_60) UD1.B7(VDD2H_3) UD1.B9(VDD2H_4) UD1.C7(VDD2H_5) UD1.C9(VDD2H_6) UD1.D8(VDD2H_7) UD1.E7(VDD2H_8) UD1.E9(VDD2H_9) UD1.F6(VDD2H_10) UD1.F7(VDD2H_11) UD1.F9(VDD2H_12) UD1.F10(VDD2H_13) UD1.J5(VDD2H_14) UD1.J11(VDD2H_15) UD1.K1(VDD2H_16) UD1.K2(VDD2H_17) UD1.K3(VDD2H_18) UD1.K4(VDD2H_19) UD1.K5(VDD2H_20) UD1.K6(VDD2H_21) UD1.K10(VDD2H_22) UD1.K11(VDD2H_23) UD1.K12(VDD2H_24) UD1.K13(VDD2H_25) UD1.K14(VDD2H_26) UD1.K15(VDD2H_27) UD1.L6(VDD2H_28) UD1.L7(VDD2H_29) UD1.L8(VDD2H_30) UD1.L9(VDD2H_31) UD1.L10(VDD2H_32) UD1.M1(VDD2H_33) UD1.M2(VDD2H_34) UD1.M3(VDD2H_35) UD1.M4(VDD2H_36) UD1.M5(VDD2H_37) UD1.M6(VDD2H_38) UD1.M10(VDD2H_39) UD1.M11(VDD2H_40) UD1.M12(VDD2H_41) UD1.M13(VDD2H_42) UD1.M14(VDD2H_43) UD1.M15(VDD2H_44) UD1.N5(VDD2H_45) UD1.N11(VDD2H_46) UD1.T6(VDD2H_47) UD1.T7(VDD2H_48) UD1.T9(VDD2H_49) UD1.T10(VDD2H_50) UD1.U7(VDD2H_51) UD1.U9(VDD2H_52) UD1.V8(VDD2H_53) UD1.W7(VDD2H_54) UD1.W9(VDD2H_55) UD1.Y7(VDD2H_56) UD1.Y9(VDD2H_57) UP1.G2(DCDC7)